# KiCad board charon386_main.kicad_pcb
title: PC-CHARON-386-MAIN; date: 2021-12-17; rev: A; company: Eugene Lozovoy
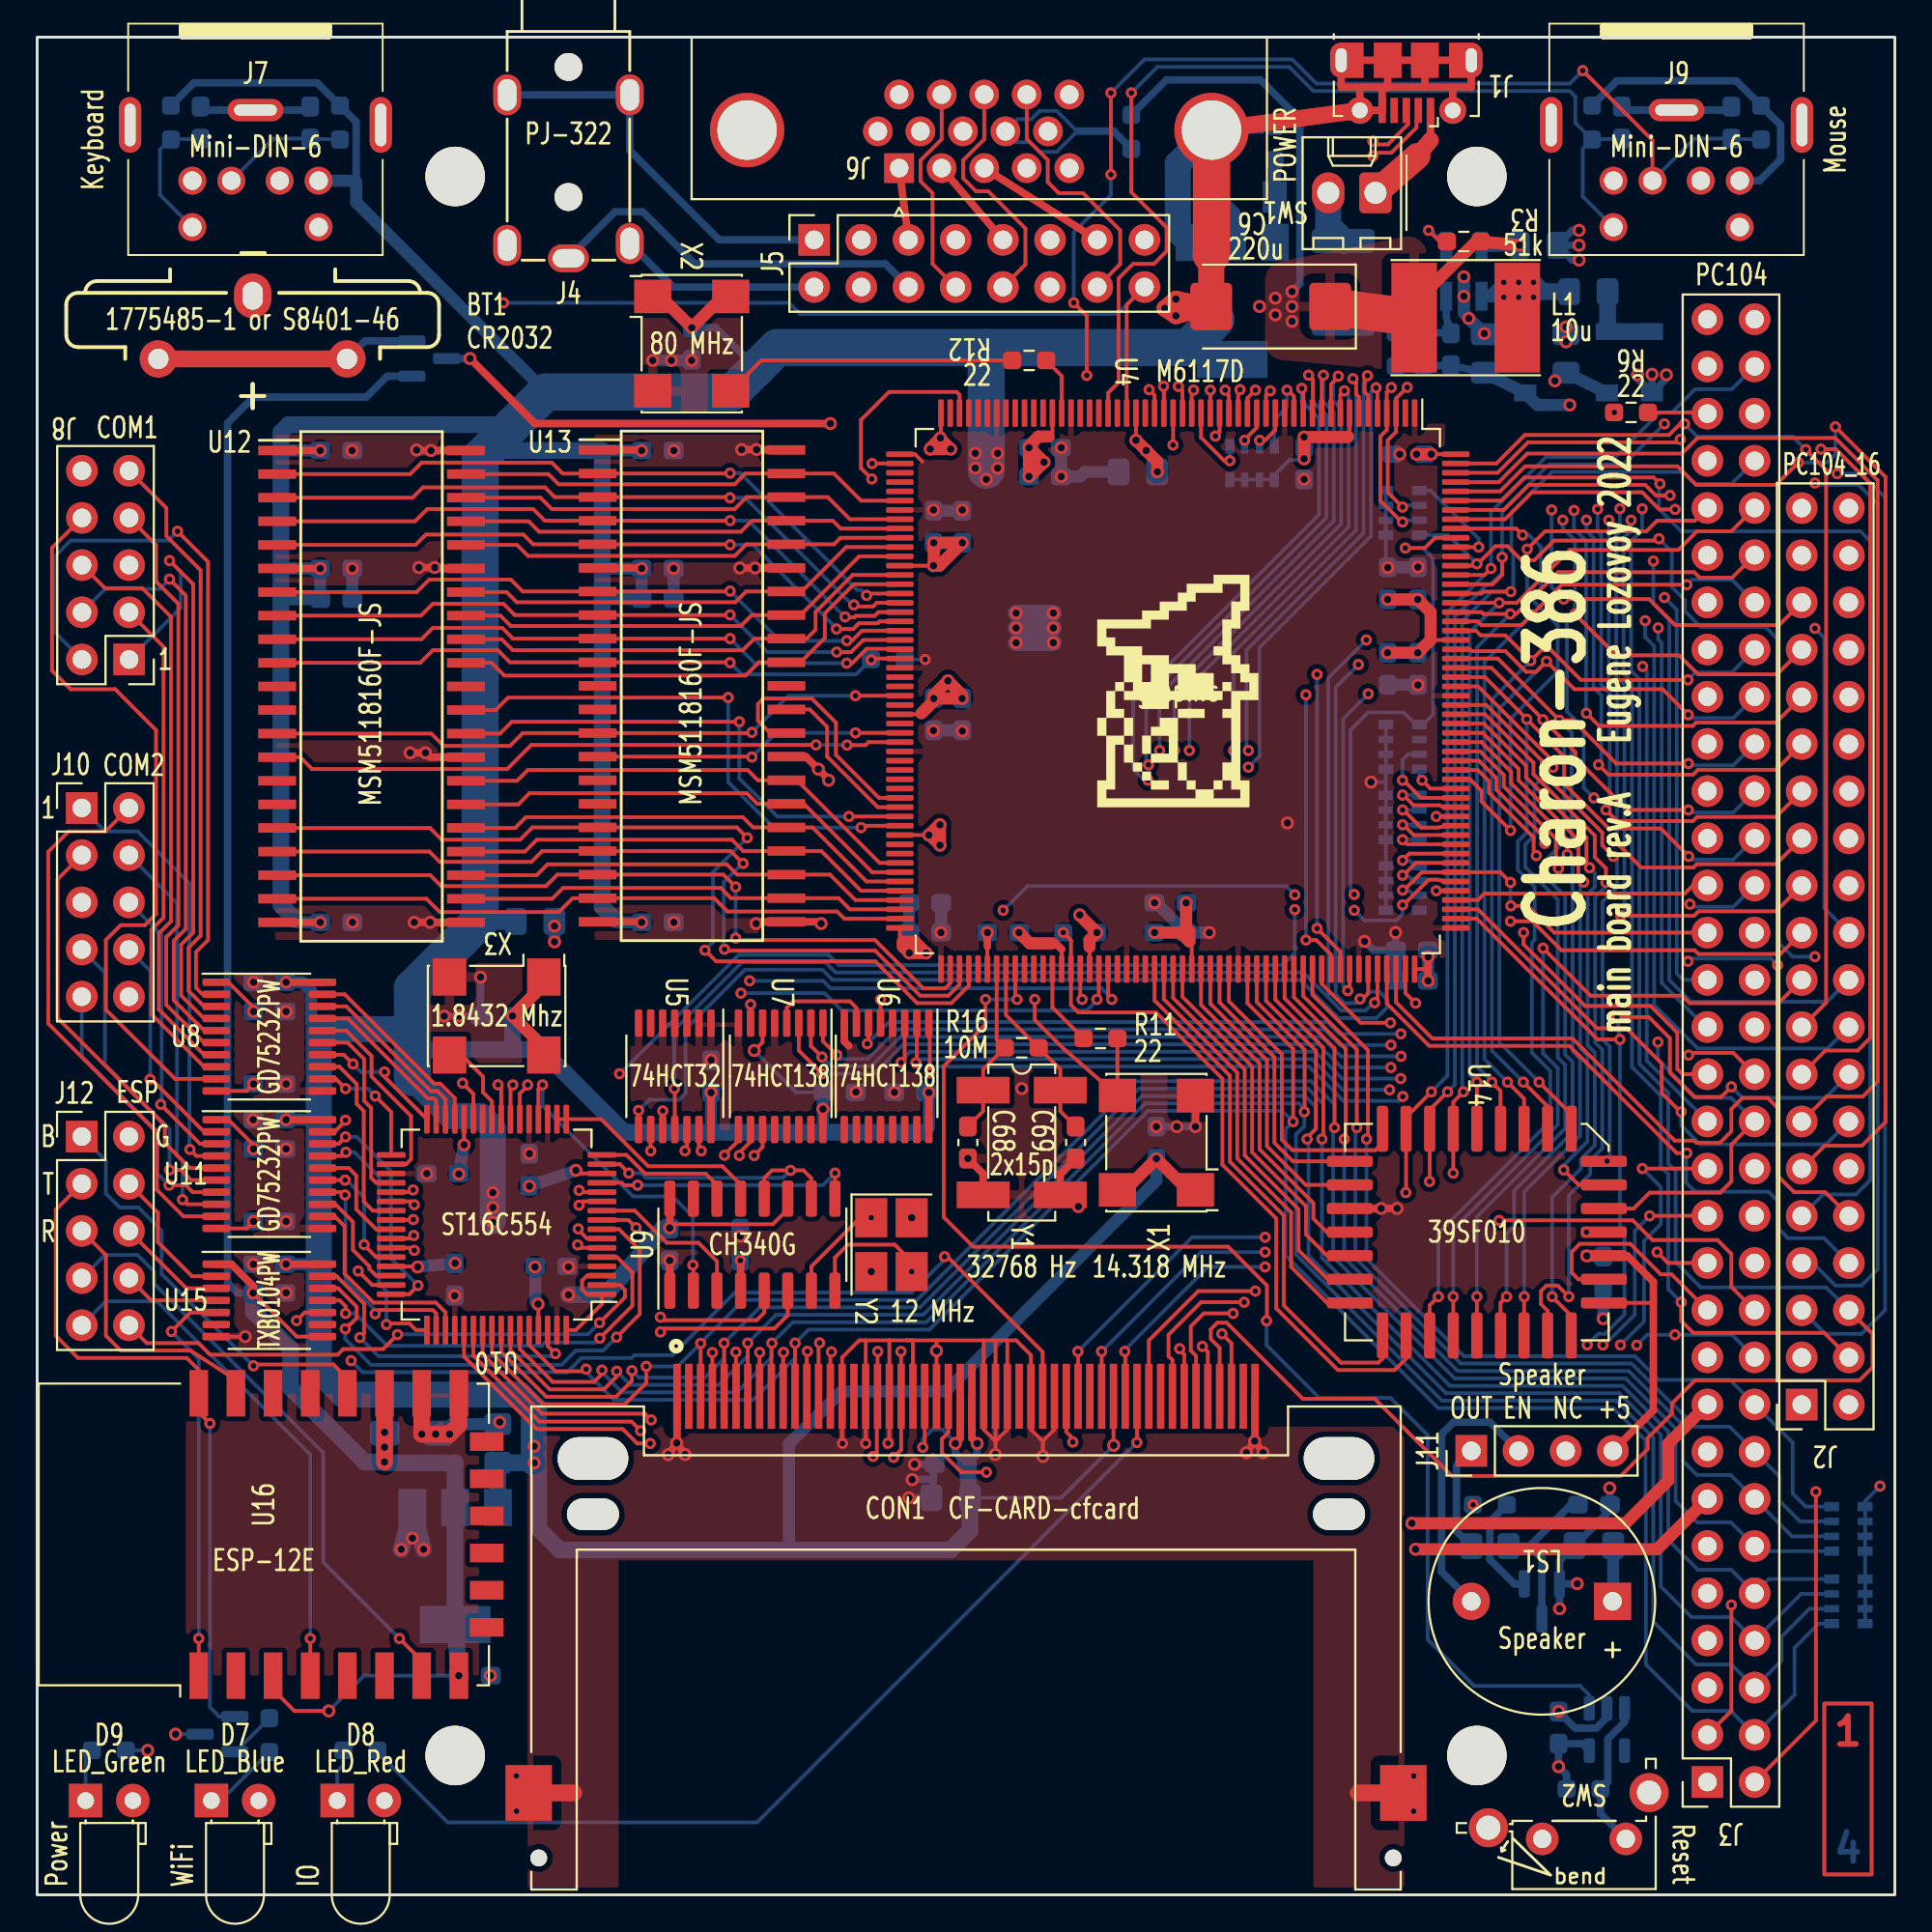
[diagram p0: board, top side]
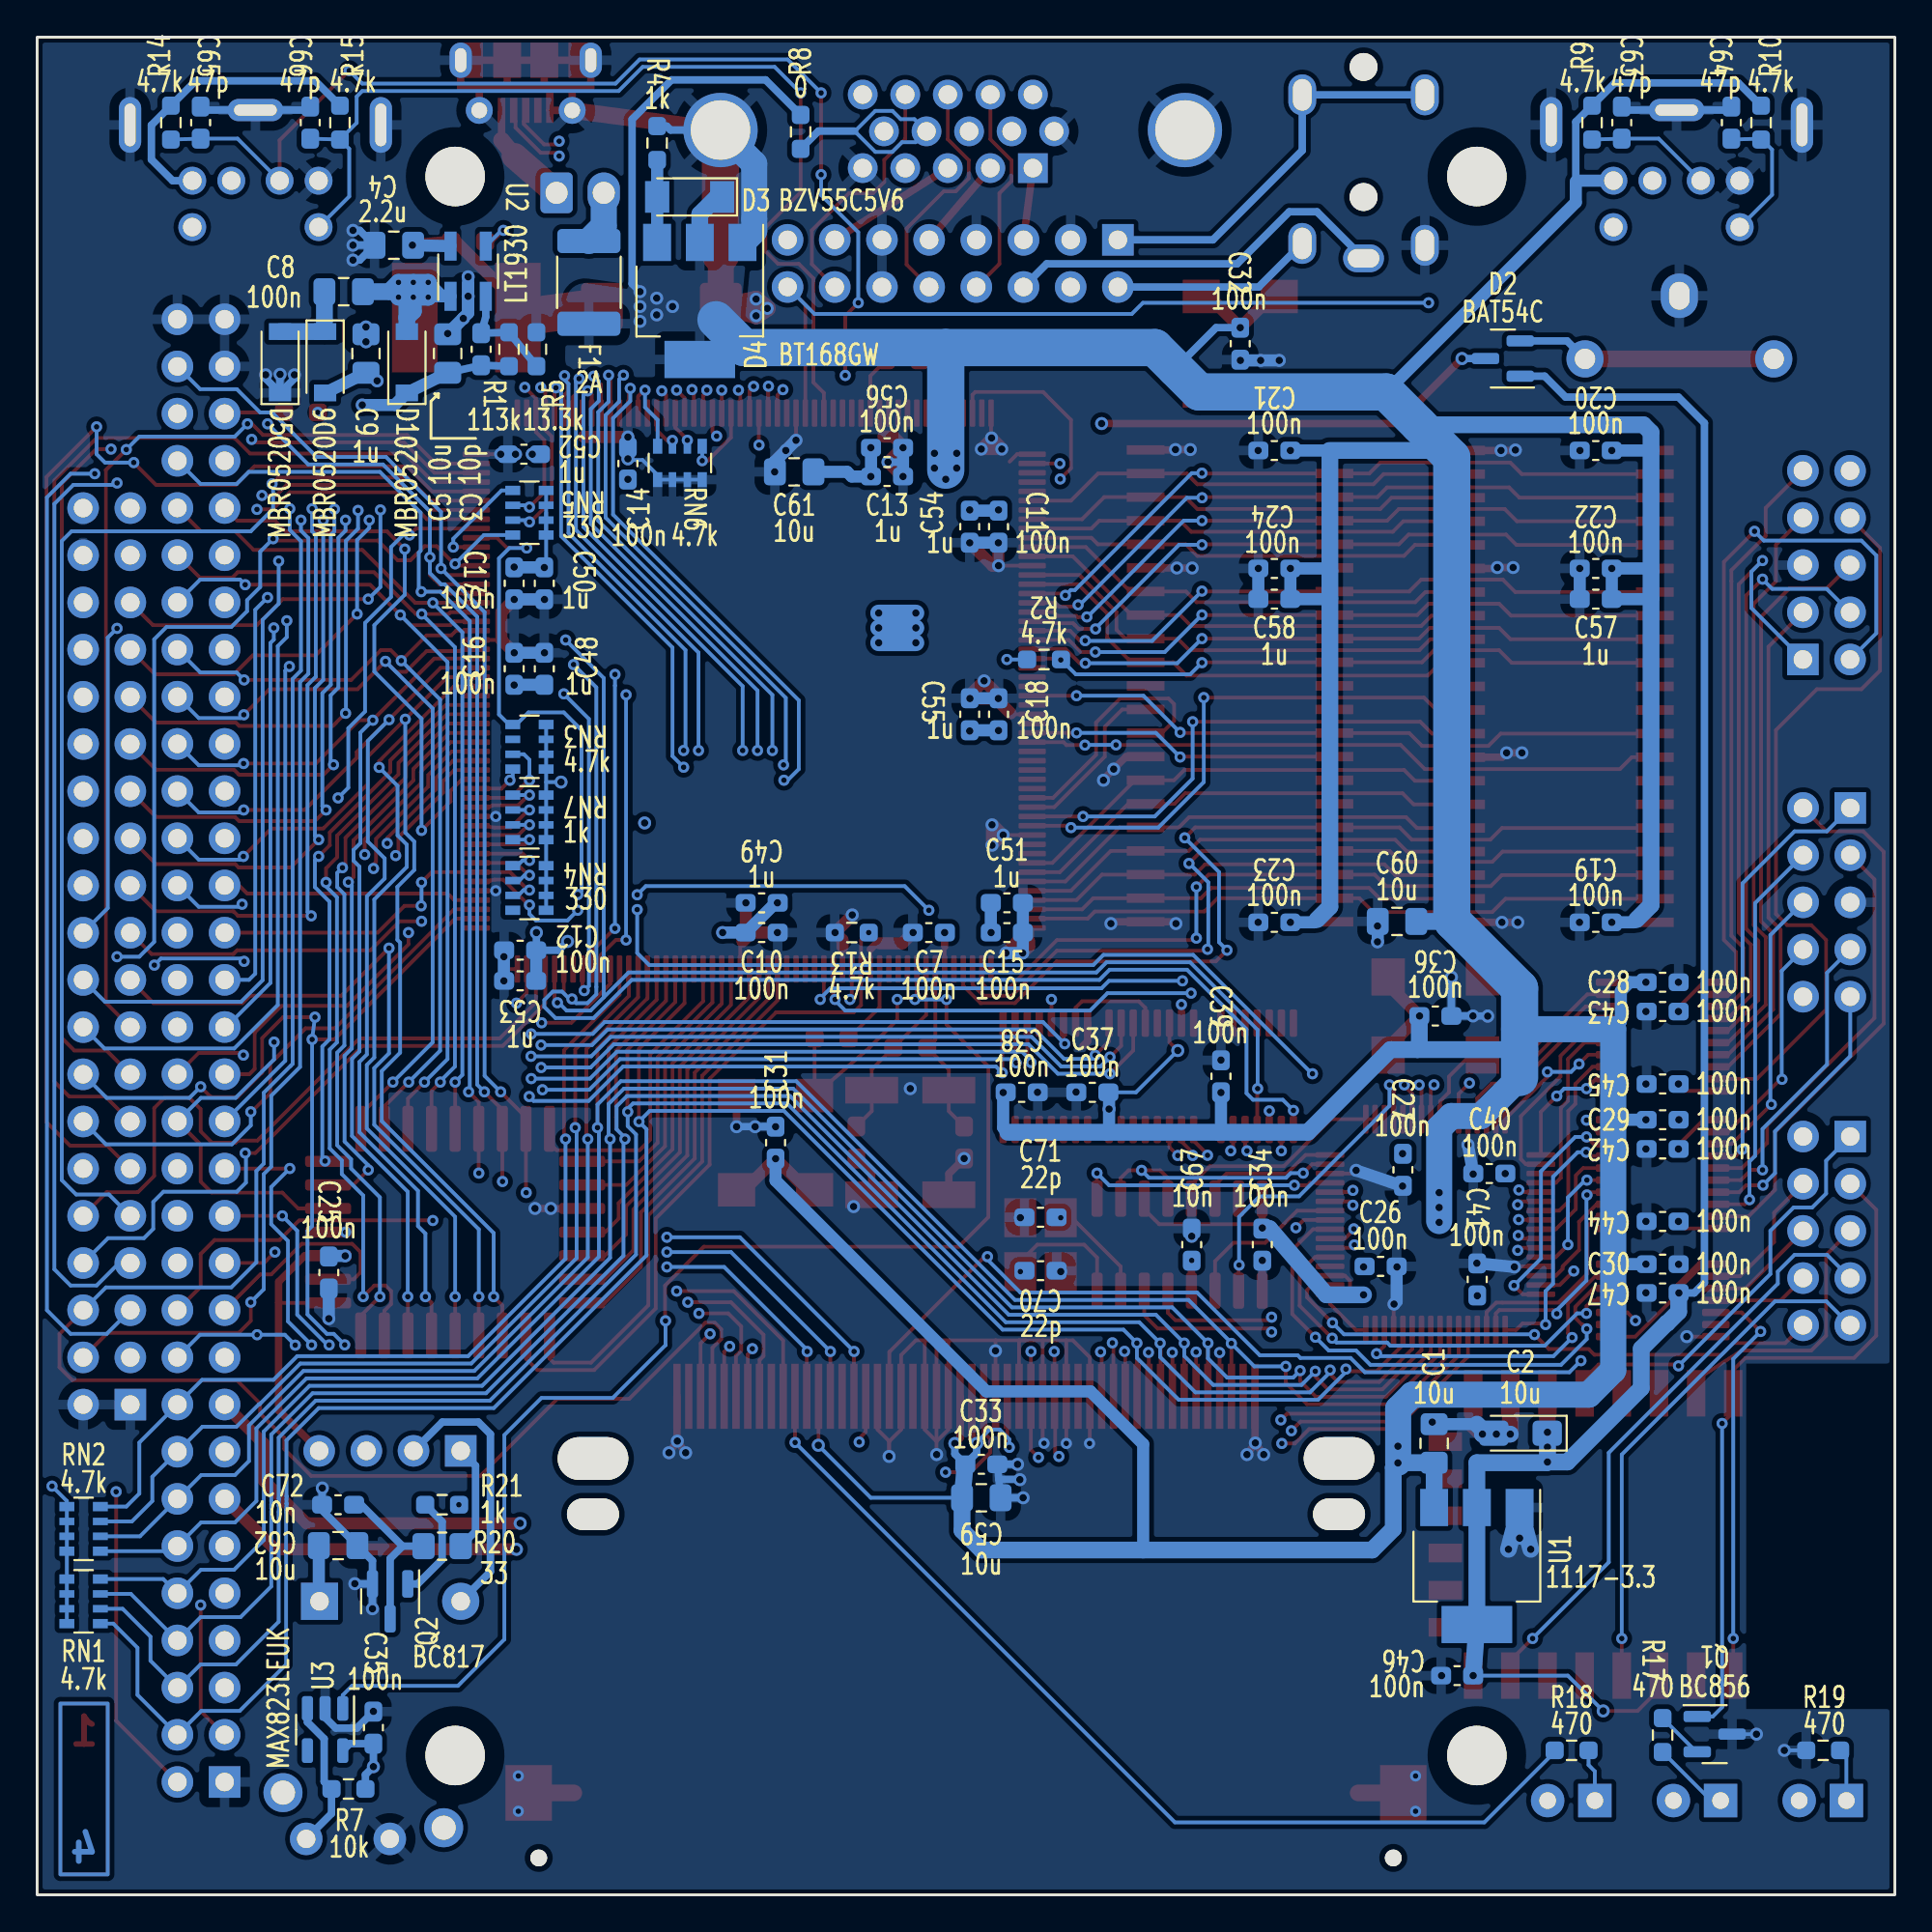
[diagram p1: board, bottom side, seen from below]

Outline 100 x 100 mm; copper layers: Top, In1.Cu, In2.Cu, Bottom. Coordinates in mm from the lower left corner of the outline.
Outline path: rectangle 0,100 100,0
Stack: Top 0.035mm / dielectric 1.51mm FR4 er 4.5 / In1.Cu 0.035mm / dielectric 1.51mm FR4 er 4.5 / In2.Cu 0.035mm / dielectric 1.51mm FR4 er 4.5 / Bottom 0.035mm

## Placement (name value [footprint] x y rotation side)
BT1  1775485-1 or S8401-46  [CR2032V]  6.52 82.68 0 top
C1  10u  [C_0805_2012Metric_Pad1.18x1.45mm_HandSolder]  24.8 24.3 270 bottom
C2  10u  [CP_EIA-3216-18_Kemet-A_Pad1.58x1.35mm_HandSolder]  20.15 24.85 0 bottom
C3  10p  [C_0603_1608Metric_Pad1.08x0.95mm_HandSolder]  76.1 83.2 90 bottom
C4  2.2u  [C_0805_2012Metric_Pad1.18x1.45mm_HandSolder]  80.8 88.8 180 bottom
C5  10u  [C_0805_2012Metric_Pad1.18x1.45mm_HandSolder]  77.9 82.97 270 bottom
C6  220u  [CP_EIA-7343-31_Kemet-D_Pad2.25x2.55mm_HandSolder]  66.4 85.5 180 top
C7  100n  [C_0603_1608Metric_Pad1.08x0.95mm_HandSolder]  52 51.8 0 bottom
C8  100n  [C_0805_2012Metric_Pad1.18x1.45mm_HandSolder]  83.5 86.3 0 bottom
C9  1u  [C_0805_2012Metric_Pad1.18x1.45mm_HandSolder]  82.3 82.97 90 bottom
C10  100n  [C_0603_1608Metric_Pad1.08x0.95mm_HandSolder]  61 51.8 0 bottom
C11  100n  [C_0603_1608Metric_Pad1.08x0.95mm_HandSolder]  48.25 73.65 90 bottom
C12  100n  [C_0603_1608Metric_Pad1.08x0.95mm_HandSolder]  74 50.85 180 bottom
C13  100n  [C_0603_1608Metric_Pad1.08x0.95mm_HandSolder]  54.25 77.9 0 bottom
C14  100n  [C_0603_1608Metric_Pad1.08x0.95mm_HandSolder]  68.2 77.05 270 bottom
C15  100n  [C_0603_1608Metric_Pad1.08x0.95mm_HandSolder]  47.8 51.8 0 bottom
C16  100n  [C_0603_1608Metric_Pad1.08x0.95mm_HandSolder]  74.32 66 270 bottom
C17  100n  [C_0603_1608Metric_Pad1.08x0.95mm_HandSolder]  74.32 70.6 90 bottom
C18  100n  [C_0603_1608Metric_Pad1.08x0.95mm_HandSolder]  48.25 63.55 270 bottom
C19  100n  [C_0603_1608Metric_Pad1.08x0.95mm_HandSolder]  16.1 52.35 180 bottom
C20  100n  [C_0603_1608Metric_Pad1.08x0.95mm_HandSolder]  16.1 77.75 180 bottom
C21  100n  [C_0603_1608Metric_Pad1.08x0.95mm_HandSolder]  33.4 77.75 180 bottom
C22  100n  [C_0603_1608Metric_Pad1.08x0.95mm_HandSolder]  16.1 71.4 180 bottom
C23  100n  [C_0603_1608Metric_Pad1.08x0.95mm_HandSolder]  33.4 52.35 180 bottom
C24  100n  [C_0603_1608Metric_Pad1.08x0.95mm_HandSolder]  33.4 71.4 180 bottom
C25  100n  [C_0603_1608Metric_Pad1.08x0.95mm_HandSolder]  84.3 33.5 90 bottom
C26  100n  [C_0603_1608Metric_Pad1.08x0.95mm_HandSolder]  27.68 33.83 0 bottom
C27  100n  [C_0603_1608Metric_Pad1.08x0.95mm_HandSolder]  26.48 39.03 90 bottom
C28  100n  [C_0603_1608Metric_Pad1.08x0.95mm_HandSolder]  12.5 49.12 0 bottom
C29  100n  [C_0603_1608Metric_Pad1.08x0.95mm_HandSolder]  12.5 41.72 0 bottom
C30  100n  [C_0603_1608Metric_Pad1.08x0.95mm_HandSolder]  12.5 33.95 0 bottom
C31  100n  [C_0603_1608Metric_Pad1.08x0.95mm_HandSolder]  60.25 40.49 270 bottom
C32  100n  [C_0603_1608Metric_Pad1.08x0.95mm_HandSolder]  35.24 83.5 90 bottom
C33  100n  [C_0603_1608Metric_Pad1.08x0.95mm_HandSolder]  49.17 23.17 0 bottom
C34  100n  [C_0603_1608Metric_Pad1.08x0.95mm_HandSolder]  34.05 35 270 bottom
C35  100n  [C_0603_1608Metric_Pad1.08x0.95mm_HandSolder]  81.9 9 90 bottom
C36  100n  [C_0603_1608Metric_Pad1.08x0.95mm_HandSolder]  24.73 47.31 180 bottom
C37  100n  [C_0603_1608Metric_Pad1.08x0.95mm_HandSolder]  43.2 43.2 0 bottom
C38  100n  [C_0603_1608Metric_Pad1.08x0.95mm_HandSolder]  47 43.2 180 bottom
C39  100n  [C_0603_1608Metric_Pad1.08x0.95mm_HandSolder]  36.28 44.06 90 bottom
C40  100n  [C_0603_1608Metric_Pad1.08x0.95mm_HandSolder]  21.83 38.83 0 bottom
C41  100n  [C_0603_1608Metric_Pad1.08x0.95mm_HandSolder]  22.48 33.13 90 bottom
C42  100n  [C_0603_1608Metric_Pad1.08x0.95mm_HandSolder]  12.5 40.15 180 bottom
C43  100n  [C_0603_1608Metric_Pad1.08x0.95mm_HandSolder]  12.5 47.55 180 bottom
C44  100n  [C_0603_1608Metric_Pad1.08x0.95mm_HandSolder]  12.5 36.25 180 bottom
C45  100n  [C_0603_1608Metric_Pad1.08x0.95mm_HandSolder]  12.5 43.65 180 bottom
C46  100n  [C_0603_1608Metric_Pad1.08x0.95mm_HandSolder]  23.56 11.8 180 bottom
C47  100n  [C_0603_1608Metric_Pad1.08x0.95mm_HandSolder]  12.5 32.4 180 bottom
C48  1u  [C_0603_1608Metric_Pad1.08x0.95mm_HandSolder]  72.7 66 270 bottom
C49  1u  [C_0603_1608Metric_Pad1.08x0.95mm_HandSolder]  61 53.4 180 bottom
C50  1u  [C_0603_1608Metric_Pad1.08x0.95mm_HandSolder]  72.7 70.6 90 bottom
C51  1u  [C_0603_1608Metric_Pad1.08x0.95mm_HandSolder]  47.8 53.4 0 bottom
C52  1u  [C_0603_1608Metric_Pad1.08x0.95mm_HandSolder]  73.8 77.55 180 bottom
C53  1u  [C_0603_1608Metric_Pad1.08x0.95mm_HandSolder]  74 49.2 180 bottom
C54  1u  [C_0603_1608Metric_Pad1.08x0.95mm_HandSolder]  49.8 73.65 270 bottom
C55  1u  [C_0603_1608Metric_Pad1.08x0.95mm_HandSolder]  49.8 63.55 90 bottom
C56  1u  [C_0603_1608Metric_Pad1.08x0.95mm_HandSolder]  54.25 76.35 180 bottom
C57  1u  [C_0603_1608Metric_Pad1.08x0.95mm_HandSolder]  16.1 69.75 0 bottom
C58  1u  [C_0603_1608Metric_Pad1.08x0.95mm_HandSolder]  33.4 69.75 0 bottom
C59  10u  [C_0805_2012Metric_Pad1.18x1.45mm_HandSolder]  49.17 21.38 180 bottom
C60  10u  [C_0805_2012Metric_Pad1.18x1.45mm_HandSolder]  26.8 52.4 0 bottom
C61  10u  [C_0805_2012Metric_Pad1.18x1.45mm_HandSolder]  59.25 76.6 0 bottom
C62  10u  [C_0805_2012Metric_Pad1.18x1.45mm_HandSolder]  83.8 18.8 180 bottom
C63  47p  [C_0603_1608Metric_Pad1.08x0.95mm_HandSolder]  14.7 95.4 90 bottom
C64  47p  [C_0603_1608Metric_Pad1.08x0.95mm_HandSolder]  8.8 95.4 90 bottom
C65  47p  [C_0603_1608Metric_Pad1.08x0.95mm_HandSolder]  91.2 95.4 90 bottom
C66  47p  [C_0603_1608Metric_Pad1.08x0.95mm_HandSolder]  85.3 95.4 90 bottom
C67  10n  [C_0603_1608Metric_Pad1.08x0.95mm_HandSolder]  37.85 35 270 bottom
C68  15p  [C_0603_1608Metric_Pad1.08x0.95mm_HandSolder]  50.1 40.5 270 top
C69  15p  [C_0603_1608Metric_Pad1.08x0.95mm_HandSolder]  55.9 40.5 270 top
C70  22p  [C_0603_1608Metric_Pad1.08x0.95mm_HandSolder]  45.99 33.6 180 bottom
C71  22p  [C_0603_1608Metric_Pad1.08x0.95mm_HandSolder]  45.99 36.47 0 bottom
C72  10n  [C_0603_1608Metric_Pad1.08x0.95mm_HandSolder]  83.8 21 0 bottom
CON1  CF-CARD-cfcard  [TE_1734451-1-LONG]  50 26.84 0 top
D1  MBR0520  [D_SOD-123]  80.1 82.5 90 bottom
D2  BAT54C  [SOT-23]  21.1 82.7 0 bottom
D3  BZV55C5V6  [D_MiniMELF]  64.88 91.4 0 bottom
D4  BT168GW  [SOT-223-3_TabPin2]  64.33 85.8 270 bottom
D5  MBR0520  [D_SOD-123]  86.92 82.5 90 bottom
D6  MBR0520  [D_SOD-123]  84.5 82.5 270 bottom
D7  LED_Blue  [LED_D3.0mm_Horizontal_O1.27mm_Z6.0mm]  9.38 5.07 0 top
D8  LED_Red  [LED_D3.0mm_Horizontal_O1.27mm_Z6.0mm]  16.15 5.07 0 top
D9  LED_Green  [LED_D3.0mm_Horizontal_O1.27mm_Z6.0mm]  2.61 5.07 0 top
F1  2A  [Fuse_1812_4532Metric_Pad1.30x3.40mm_HandSolder]  70.3 86.8 90 bottom
H1  Screw M3 dk=5mm L=4mm  [MountingHole_3.2mm_M3_dk5.2mm_Mask]  22.5 92.5 0 top
H2  Screw M3 dk=5mm L=4mm  [MountingHole_3.2mm_M3_dk5.2mm_Mask]  77.5 92.5 0 top
H3  Screw M3 dk=5mm L=4mm  [MountingHole_3.2mm_M3_dk5.2mm_Mask]  22.5 7.5 0 top
H4  Screw M3 dk=5mm L=4mm  [MountingHole_3.2mm_M3_dk5.2mm_Mask]  77.5 7.5 0 top
J1  USB_B_Micro  [USB_Micro-B_Molex-105017-0001]  73.7 97.52 180 top
J2  PC104_16  [PinSocket_2x20_P2.54mm_Vertical]  94.98 26.39 180 top
J3  PC104  [PinSocket_2x32_P2.54mm_Vertical]  89.91 6.07 180 top
J4  -  [PJ-322]  28.6 94.79 0 top
J5  Conn_02x07_Odd_Even  [PinSocket_2x08_P2.54mm_Vertical]  41.82 89.09 90 top
J6  DB15_Female_HighDensity_MountingHoles  [DSUB-15-HD_Female_Horizontal_P2.29x1.98mm_EdgePinOffset3.03mm_Housed_MountingHolesOffset4.94mm]  46.4 92.95 180 top
J7  Mini-DIN-6  [minidin-6]  11.75 94.5 0 top
J8  COM1  [PinHeader_2x05_P2.54mm_Vertical]  4.95 66.5 180 top
J9  Mini-DIN-6  [minidin-6]  88.25 94.5 0 top
J10  COM2  [PinHeader_2x05_P2.54mm_Vertical]  2.4 58.51 0 top
J11  Conn_01x04  [PinHeader_1x04_P2.54mm_Vertical]  77.2 23.9 90 top
J12  ESP  [PinHeader_2x05_P2.54mm_Vertical]  2.4 40.82 0 top
L1  10u  [L_Taiyo-Yuden_NR-60xx_HandSoldering]  76.9 84.9 0 top
LOGO1  graphic  [black-mage-12.5x8.6]  61.4 64.8 0 top
LS1  Speaker  [Buzzer_12x9.5RM7.6]  84.8 15.8 180 top
Q1  BC856  [SOT-23]  9.7 8.65 180 bottom
Q2  BC817  [SOT-23]  81 15.8 270 bottom
R1  113k  [R_0603_1608Metric_Pad0.98x0.95mm_HandSolder]  74.6 83.2 90 bottom
R2  4.7k  [R_0603_1608Metric_Pad0.98x0.95mm_HandSolder]  45.8 66.5 180 bottom
R3  51k  [R_0603_1608Metric_Pad0.98x0.95mm_HandSolder]  76.8 89 180 top
R4  1k  [R_0603_1608Metric_Pad0.98x0.95mm_HandSolder]  66.62 94.3 90 bottom
R5  13.3k  [R_0603_1608Metric_Pad0.98x0.95mm_HandSolder]  73.12 83.2 270 bottom
R6  22  [R_0603_1608Metric_Pad0.98x0.95mm_HandSolder]  85.8 79.8 180 top
R7  10k  [R_0603_1608Metric_Pad0.98x0.95mm_HandSolder]  83.24 5.7 0 bottom
R8  0  [R_0603_1608Metric_Pad0.98x0.95mm_HandSolder]  58.9 94.9 270 bottom
R9  4.7k  [R_0603_1608Metric_Pad0.98x0.95mm_HandSolder]  16.3 95.4 270 bottom
R10  4.7k  [R_0603_1608Metric_Pad0.98x0.95mm_HandSolder]  7.2 95.4 270 bottom
R11  22  [R_0603_1608Metric_Pad0.98x0.95mm_HandSolder]  57.24 46.1 0 top
R12  22  [R_0603_1608Metric_Pad0.98x0.95mm_HandSolder]  53.4 82.6 180 top
R13  4.7k  [R_0603_1608Metric_Pad0.98x0.95mm_HandSolder]  56.15 51.8 180 bottom
R14  4.7k  [R_0603_1608Metric_Pad0.98x0.95mm_HandSolder]  92.8 95.4 270 bottom
R15  4.7k  [R_0603_1608Metric_Pad0.98x0.95mm_HandSolder]  83.7 95.4 270 bottom
R16  10M  [R_0603_1608Metric_Pad0.98x0.95mm_HandSolder]  53 45.6 0 top
R17  470  [R_0603_1608Metric_Pad0.98x0.95mm_HandSolder]  12.5 8.6 90 bottom
R18  470  [R_0603_1608Metric_Pad0.98x0.95mm_HandSolder]  17.4 7.78 0 bottom
R19  470  [R_0603_1608Metric_Pad0.98x0.95mm_HandSolder]  3.86 7.78 0 bottom
R20  33  [R_0805_2012Metric_Pad1.20x1.40mm_HandSolder]  78.2 18.77 0 bottom
R21  1k  [R_0603_1608Metric_Pad0.98x0.95mm_HandSolder]  78.2 21 0 bottom
RN1  4.7k  [R_Array_Convex_4x0603]  97.5 15.8 0 bottom
RN2  4.7k  [R_Array_Convex_4x0603]  97.5 19.7 0 bottom
RN3  4.7k  [R_Array_Convex_4x0603]  73.5 61.8 180 bottom
RN4  330  [R_Array_Convex_4x0603]  73.5 54.2 180 bottom
RN5  330  [R_Array_Convex_4x0603]  73.5 74.4 180 bottom
RN6  4.7k  [R_Array_Convex_4x0603]  65.4 77.08 90 bottom
RN7  1k  [R_Array_Convex_4x0603]  73.5 58 180 bottom
SW1  Jumper / Pin header 1x2 Pitch=2.54mm  [Molex_KK-254_AE-6410-02A_1x02_P2.54mm_Vertical]  72.04 91.62 180 top
SW2  SW_Push  [SW_Tactile_SPST_Angled_PTS645Vx83-2LFS]  85.52 3.01 180 top
U1  1117-3.3  [SOT-223-3_TabPin2]  22.5 17.7 270 bottom
U2  LT1930  [SOT-23-5_HandSoldering]  76.8 87.4 90 bottom
U3  MAX823LEUK  [SOT-23-5]  84.5 8.9 270 bottom
U4  M6117D  [PQFP-208_28x28mm_P0.5mm]  61.4 64.8 270 top
U5  74HCT32  [TSSOP-14_4.4x5mm_P0.65mm]  34.32 44.06 270 top
U6  74HCT138  [TSSOP-16_4.4x5mm_P0.65mm]  45.72 44.06 270 top
U7  74HCT138  [TSSOP-16_4.4x5mm_P0.65mm]  40.03 44.06 270 top
U8  GD75232PW  [TSSOP-20_4.4x6.5mm_P0.65mm]  12.5 46.2 0 top
U9  CH340G  [SOIC-16_3.9x9.9mm_P1.27mm]  38.5 35 90 top
U10  ST16C554  [LQFP-64_10x10mm_P0.5mm]  24.73 36.08 180 top
U11  GD75232PW  [TSSOP-20_4.4x6.5mm_P0.65mm]  12.5 38.8 0 top
U12  MSM5118160F-JS  [SOJ-42]  17.95 64.1 0 top
U13  MSM5118160F-JS  [SOJ-42]  35.2 64.13 0 top
U14  39SF010  [PLCC-32_11.4x14.0mm_P1.27mm-longpads]  77.5 35.67 270 top
U15  TXB0104PW  [TSSOP-14_4.4x5mm_P0.65mm]  12.5 32 0 top
U16  -  [ESP-12E]  12.2 19.4 90 top
X1  14.318 MHz  [Oscillator_SMD_SeikoEpson_SG8002CA-4Pin_7.0x5.0mm]  60.25 40.49 90 top
X2  80 MHz  [Oscillator_SMD_SeikoEpson_SG8002CA-4Pin_7.0x5.0mm]  35.24 83.5 270 top
X3  1.8432 Mhz  [Oscillator_SMD_SeikoEpson_SG8002CA-4Pin_7.0x5.0mm]  24.73 47.31 180 top
Y1  32768 Hz  [Crystal_SMD_SeikoEpson_MC306-4Pin_8.0x3.2mm_HandSoldering]  53 40.5 270 top
Y2  12 MHz  [Crystal_SMD_SeikoEpson_TSX3225-4Pin_3.2x2.5mm_HandSoldering]  45.99 35 270 top

## Library data of the parts
J2 = -: Field4: D    C
J3 = -: Field4: A    B
J4 = -: Desc: RPi pinout
LOGO1 = -: Desc: Logo

## Footprints (pads in the part's own frame, mm; a bottom-side part is the same pattern mirrored in y, then rotated)
Buzzer_12x9.5RM7.6
  rect 2x2 hole 1: 1(0,0)
  round 2 hole 1: 2(7.6,0)
C_0603_1608Metric_Pad1.08x0.95mm_HandSolder
  rrect 1.075x0.95 smd: 1(-0.863,0) 2(0.863,0)
C_0805_2012Metric_Pad1.18x1.45mm_HandSolder
  rrect 1.175x1.45 smd: 1(-1.038,0) 2(1.038,0)
CP_EIA-3216-18_Kemet-A_Pad1.58x1.35mm_HandSolder
  rrect 1.575x1.35 smd: 1(-1.438,0) 2(1.438,0)
CP_EIA-7343-31_Kemet-D_Pad2.25x2.55mm_HandSolder
  rrect 2.25x2.55 smd: 1(-3.2,0) 2(3.2,0)
CR2032V
  round 2 hole 1.1: 1(0,0) 1(10.16,0)
  oval 2x2.4 hole 1.1x1.5: 2(5.08,3.4)
Crystal_SMD_SeikoEpson_MC306-4Pin_8.0x3.2mm_HandSoldering
  rect 1.43x2.85 smd: 1(-2.815,-2.075) 2(2.815,-2.075) 3(2.815,2.075) 4(-2.815,2.075)
Crystal_SMD_SeikoEpson_TSX3225-4Pin_3.2x2.5mm_HandSoldering
  rect 2.1x1.725 smd: 1(-1.45,-1.087) 2(1.45,-1.087) 3(1.45,1.087) 4(-1.45,1.087)
D_MiniMELF
  rect 1.3x1.7 smd: 1(-1.75,0) 2(1.75,0)
D_SOD-123
  rect 0.9x1.2 smd: 1(-1.65,0) 2(1.65,0)
DSUB-15-HD_Female_Horizontal_P2.29x1.98mm_EdgePinOffset3.03mm_Housed_MountingHolesOffset4.94mm
  round 4 hole 3.2: 0(-16.815,-2.05) 0(8.185,-2.05)
  rect 1.6x1.6 hole 1: 1(0,0)
  round 1.6 hole 1: 2(-2.29,0) 3(-4.58,0) 4(-6.87,0) 5(-9.16,0) 6(1.145,-1.98) 7(-1.145,-1.98) 8(-3.435,-1.98) 9(-5.725,-1.98) 10(-8.015,-1.98) 11(0,-3.96) 12(-2.29,-3.96) 13(-4.58,-3.96) 14(-6.87,-3.96) 15(-9.16,-3.96)
ESP-12E
  rect 2.5x1 smd: 1(-7.6,3.5) 2(-7.6,1.5) 3(-7.6,-0.5) 4(-7.6,-2.5) 5(-7.6,-4.5) 6(-7.6,-6.5) 7(-7.6,-8.5) 8(-7.6,-10.5) 15(7.6,-10.5) 16(7.6,-8.5) 17(7.6,-6.5) 18(7.6,-4.5) 19(7.6,-2.5) 20(7.6,-0.5) 21(7.6,1.5) 22(7.6,3.5)
  rect 1x1.8 smd: 9(-5,-12) 10(-3,-12) 11(-1,-12) 12(1,-12) 13(3,-12) 14(5,-12)
Fuse_1812_4532Metric_Pad1.30x3.40mm_HandSolder
  rrect 1.3x3.4 smd: 1(-2.225,0) 2(2.225,0)
L_Taiyo-Yuden_NR-60xx_HandSoldering
  rect 2.45x5.9 smd: 1(-2.775,0) 2(2.775,0)
LED_D3.0mm_Horizontal_O1.27mm_Z6.0mm
  rect 1.8x1.8 hole 0.9: 1(0,0)
  round 1.8 hole 0.9: 2(2.54,0)
LQFP-64_10x10mm_P0.5mm
  rrect 1.55x0.3 smd: 1(-5.675,3.75) 2(-5.675,3.25) 3(-5.675,2.75) 4(-5.675,2.25) 5(-5.675,1.75) 6(-5.675,1.25) 7(-5.675,0.75) 8(-5.675,0.25) 9(-5.675,-0.25) 10(-5.675,-0.75) 11(-5.675,-1.25) 12(-5.675,-1.75) 13(-5.675,-2.25) 14(-5.675,-2.75) 15(-5.675,-3.25) 16(-5.675,-3.75) 33(5.675,-3.75) 34(5.675,-3.25) 35(5.675,-2.75) 36(5.675,-2.25) 37(5.675,-1.75) 38(5.675,-1.25) 39(5.675,-0.75) 40(5.675,-0.25) 41(5.675,0.25) 42(5.675,0.75) 43(5.675,1.25) 44(5.675,1.75) 45(5.675,2.25) 46(5.675,2.75) 47(5.675,3.25) 48(5.675,3.75)
  rrect 0.3x1.55 smd: 17(-3.75,-5.675) 18(-3.25,-5.675) 19(-2.75,-5.675) 20(-2.25,-5.675) 21(-1.75,-5.675) 22(-1.25,-5.675) 23(-0.75,-5.675) 24(-0.25,-5.675) 25(0.25,-5.675) 26(0.75,-5.675) 27(1.25,-5.675) 28(1.75,-5.675) 29(2.25,-5.675) 30(2.75,-5.675) 31(3.25,-5.675) 32(3.75,-5.675) 49(3.75,5.675) 50(3.25,5.675) 51(2.75,5.675) 52(2.25,5.675) 53(1.75,5.675) 54(1.25,5.675) 55(0.75,5.675) 56(0.25,5.675) 57(-0.25,5.675) 58(-0.75,5.675) 59(-1.25,5.675) 60(-1.75,5.675) 61(-2.25,5.675) 62(-2.75,5.675) 63(-3.25,5.675) 64(-3.75,5.675)
minidin-6
  oval 1.2x3 hole 0.6x2.3: 0(-6.75,0.775) 0(6.75,0.775)
  oval 3x1.2 hole 2.3x0.6: 0(0,1.575)
  round 1.5 hole 1: 1(-1.3,-2.225) 2(1.3,-2.225) 3(-3.4,-2.225) 4(3.4,-2.225) 5(-3.4,-4.725) 6(3.4,-4.725)
Molex_KK-254_AE-6410-02A_1x02_P2.54mm_Vertical
  rrect 1.74x2.19 hole 1.19: 1(0,0)
  oval 1.74x2.19 hole 1.19: 2(2.54,0)
MountingHole_3.2mm_M3_dk5.2mm_Mask
  round 5.2 hole 3.2 unplated: (0,0)
Oscillator_SMD_SeikoEpson_SG8002CA-4Pin_7.0x5.0mm
  rect 1.8x2 smd: 1(-2.54,-2.1) 2(2.54,-2.1) 3(2.54,2.1) 4(-2.54,2.1)
PinHeader_1x04_P2.54mm_Vertical
  rect 1.7x1.7 hole 1: 1(0,0)
  oval 1.7x1.7 hole 1: 2(0,-2.54) 3(0,-5.08) 4(0,-7.62)
PinHeader_2x05_P2.54mm_Vertical
  rect 1.7x1.7 hole 1: 1(0,0)
  oval 1.7x1.7 hole 1: 2(2.54,0) 3(0,-2.54) 4(2.54,-2.54) 5(0,-5.08) 6(2.54,-5.08) 7(0,-7.62) 8(2.54,-7.62) 9(0,-10.16) 10(2.54,-10.16)
PinSocket_2x08_P2.54mm_Vertical
  rect 1.7x1.7 hole 1: 1(0,0)
  oval 1.7x1.7 hole 1: 2(-2.54,0) 3(0,-2.54) 4(-2.54,-2.54) 5(0,-5.08) 6(-2.54,-5.08) 7(0,-7.62) 8(-2.54,-7.62) 9(0,-10.16) 10(-2.54,-10.16) 11(0,-12.7) 12(-2.54,-12.7) 13(0,-15.24) 14(-2.54,-15.24) 15(0,-17.78) 16(-2.54,-17.78)
PinSocket_2x20_P2.54mm_Vertical
  rect 1.7x1.7 hole 1: 1(0,0)
  oval 1.7x1.7 hole 1: 2(-2.54,0) 3(0,-2.54) 4(-2.54,-2.54) 5(0,-5.08) 6(-2.54,-5.08) 7(0,-7.62) 8(-2.54,-7.62) 9(0,-10.16) 10(-2.54,-10.16) 11(0,-12.7) 12(-2.54,-12.7) 13(0,-15.24) 14(-2.54,-15.24) 15(0,-17.78) 16(-2.54,-17.78) 17(0,-20.32) 18(-2.54,-20.32) 19(0,-22.86) 20(-2.54,-22.86) 21(0,-25.4) 22(-2.54,-25.4) 23(0,-27.94) 24(-2.54,-27.94) 25(0,-30.48) 26(-2.54,-30.48) 27(0,-33.02) 28(-2.54,-33.02) 29(0,-35.56) 30(-2.54,-35.56) 31(0,-38.1) 32(-2.54,-38.1) 33(0,-40.64) 34(-2.54,-40.64) 35(0,-43.18) 36(-2.54,-43.18) 37(0,-45.72) 38(-2.54,-45.72) 39(0,-48.26) 40(-2.54,-48.26)
PinSocket_2x32_P2.54mm_Vertical
  rect 1.7x1.7 hole 1: 1(0,0)
  oval 1.7x1.7 hole 1: 2(-2.54,0) 3(0,-2.54) 4(-2.54,-2.54) 5(0,-5.08) 6(-2.54,-5.08) 7(0,-7.62) 8(-2.54,-7.62) 9(0,-10.16) 10(-2.54,-10.16) 11(0,-12.7) 12(-2.54,-12.7) 13(0,-15.24) 14(-2.54,-15.24) 15(0,-17.78) 16(-2.54,-17.78) 17(0,-20.32) 18(-2.54,-20.32) 19(0,-22.86) 20(-2.54,-22.86) 21(0,-25.4) 22(-2.54,-25.4) 23(0,-27.94) 24(-2.54,-27.94) 25(0,-30.48) 26(-2.54,-30.48) 27(0,-33.02) 28(-2.54,-33.02) 29(0,-35.56) 30(-2.54,-35.56) 31(0,-38.1) 32(-2.54,-38.1) 33(0,-40.64) 34(-2.54,-40.64) 35(0,-43.18) 36(-2.54,-43.18) 37(0,-45.72) 38(-2.54,-45.72) 39(0,-48.26) 40(-2.54,-48.26) 41(0,-50.8) 42(-2.54,-50.8) 43(0,-53.34) 44(-2.54,-53.34) 45(0,-55.88) 46(-2.54,-55.88) 47(0,-58.42) 48(-2.54,-58.42) 49(0,-60.96) 50(-2.54,-60.96) 51(0,-63.5) 52(-2.54,-63.5) 53(0,-66.04) 54(-2.54,-66.04) 55(0,-68.58) 56(-2.54,-68.58) 57(0,-71.12) 58(-2.54,-71.12) 59(0,-73.66) 60(-2.54,-73.66) 61(0,-76.2) 62(-2.54,-76.2) 63(0,-78.74) 64(-2.54,-78.74)
PJ-322
  round 1.5 hole 1.5 unplated: (0,3.6) (0,-3.4)
  oval 1.5x2.2 hole 1x1.7: R1(3.3,-5.9) R2(-3.3,-6) T(-3.3,2.1) T(3.3,2.1)
  oval 2.2x1.5 hole 1.7x1: S(0,-6.7)
PLCC-32_11.4x14.0mm_P1.27mm-longpads
  rrect 0.6x2.475 smd: 1(0,6.838) 2(-1.27,6.838) 3(-2.54,6.838) 4(-3.81,6.838) 14(-3.81,-6.838) 15(-2.54,-6.838) 16(-1.27,-6.838) 17(0,-6.838) 18(1.27,-6.838) 19(2.54,-6.838) 20(3.81,-6.838) 30(3.81,6.838) 31(2.54,6.838) 32(1.27,6.838)
  rrect 2.475x0.6 smd: 5(-5.562,5.08) 6(-5.562,3.81) 7(-5.562,2.54) 8(-5.562,1.27) 9(-5.562,0) 10(-5.562,-1.27) 11(-5.562,-2.54) 12(-5.562,-3.81) 13(-5.562,-5.08) 21(5.562,-5.08) 22(5.562,-3.81) 23(5.562,-2.54) 24(5.562,-1.27) 25(5.562,0) 26(5.562,1.27) 27(5.562,2.54) 28(5.562,3.81) 29(5.562,5.08)
PQFP-208_28x28mm_P0.5mm